# Altium PCB 2.PcbDoc (part 1 of 2)
Units mm, origin at the board's own origin, x right, y up, seen from the top; angles counter-clockwise.
Board outline 160.63 x 75.01 mm, 2 copper layers (Top Layer, Bottom Layer); 160 components, 151 nets, 572 pads, 120 vias.
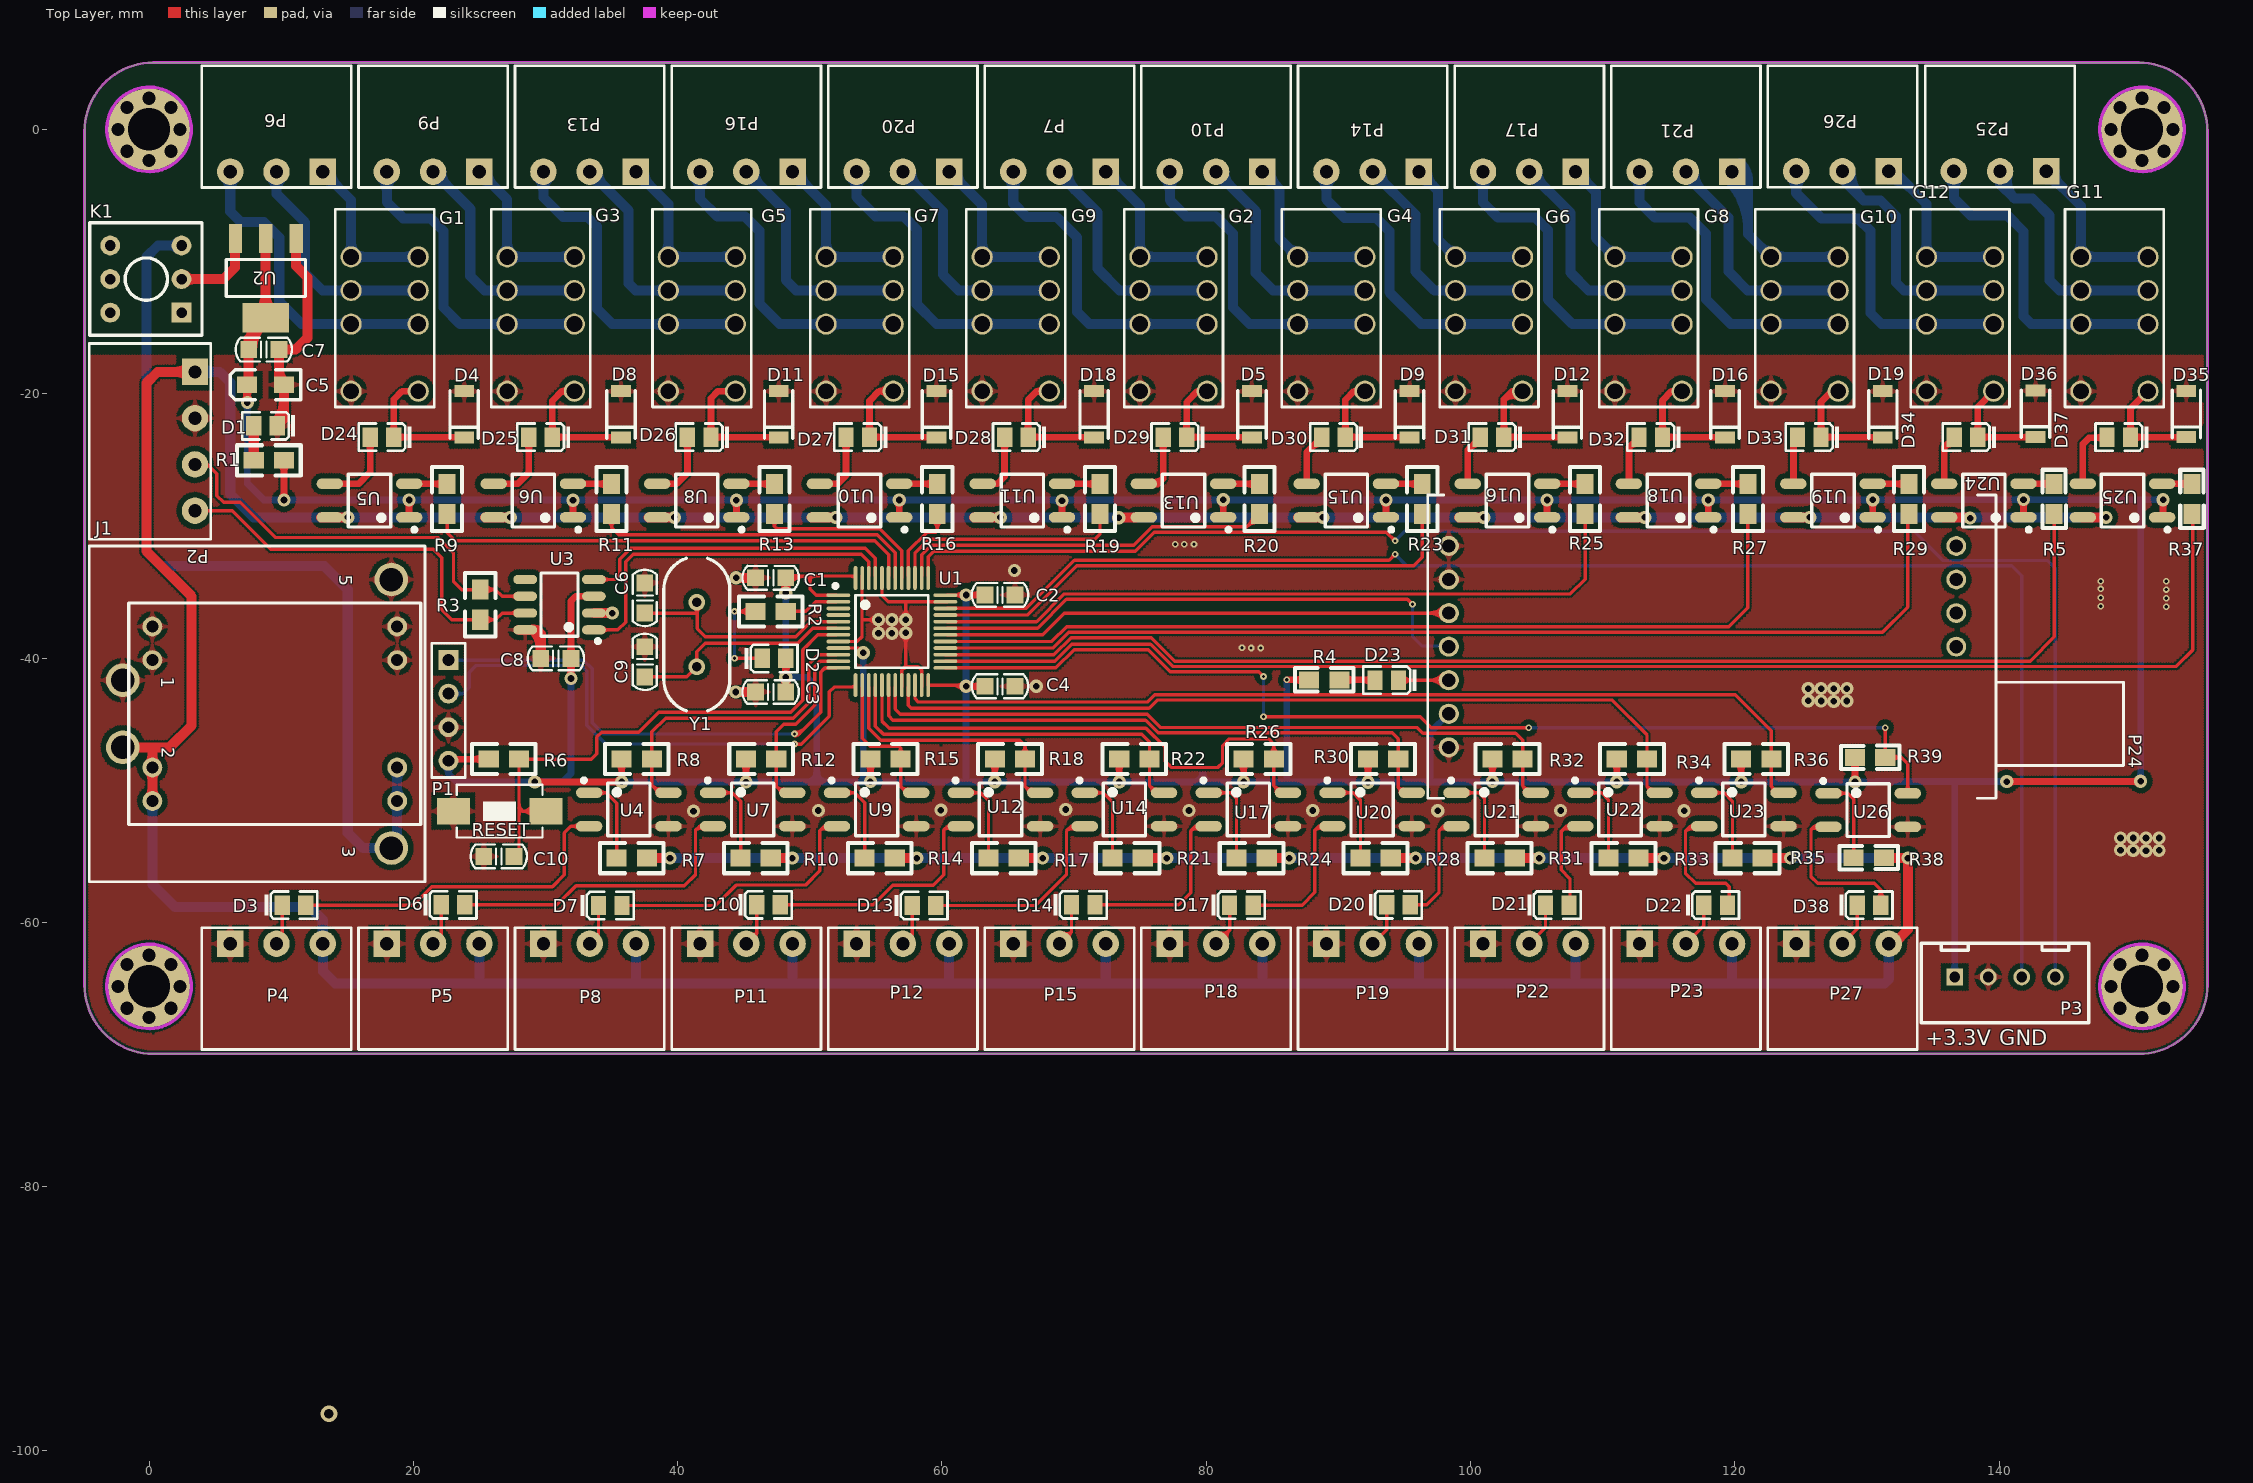
[diagram p0: Top Layer view]
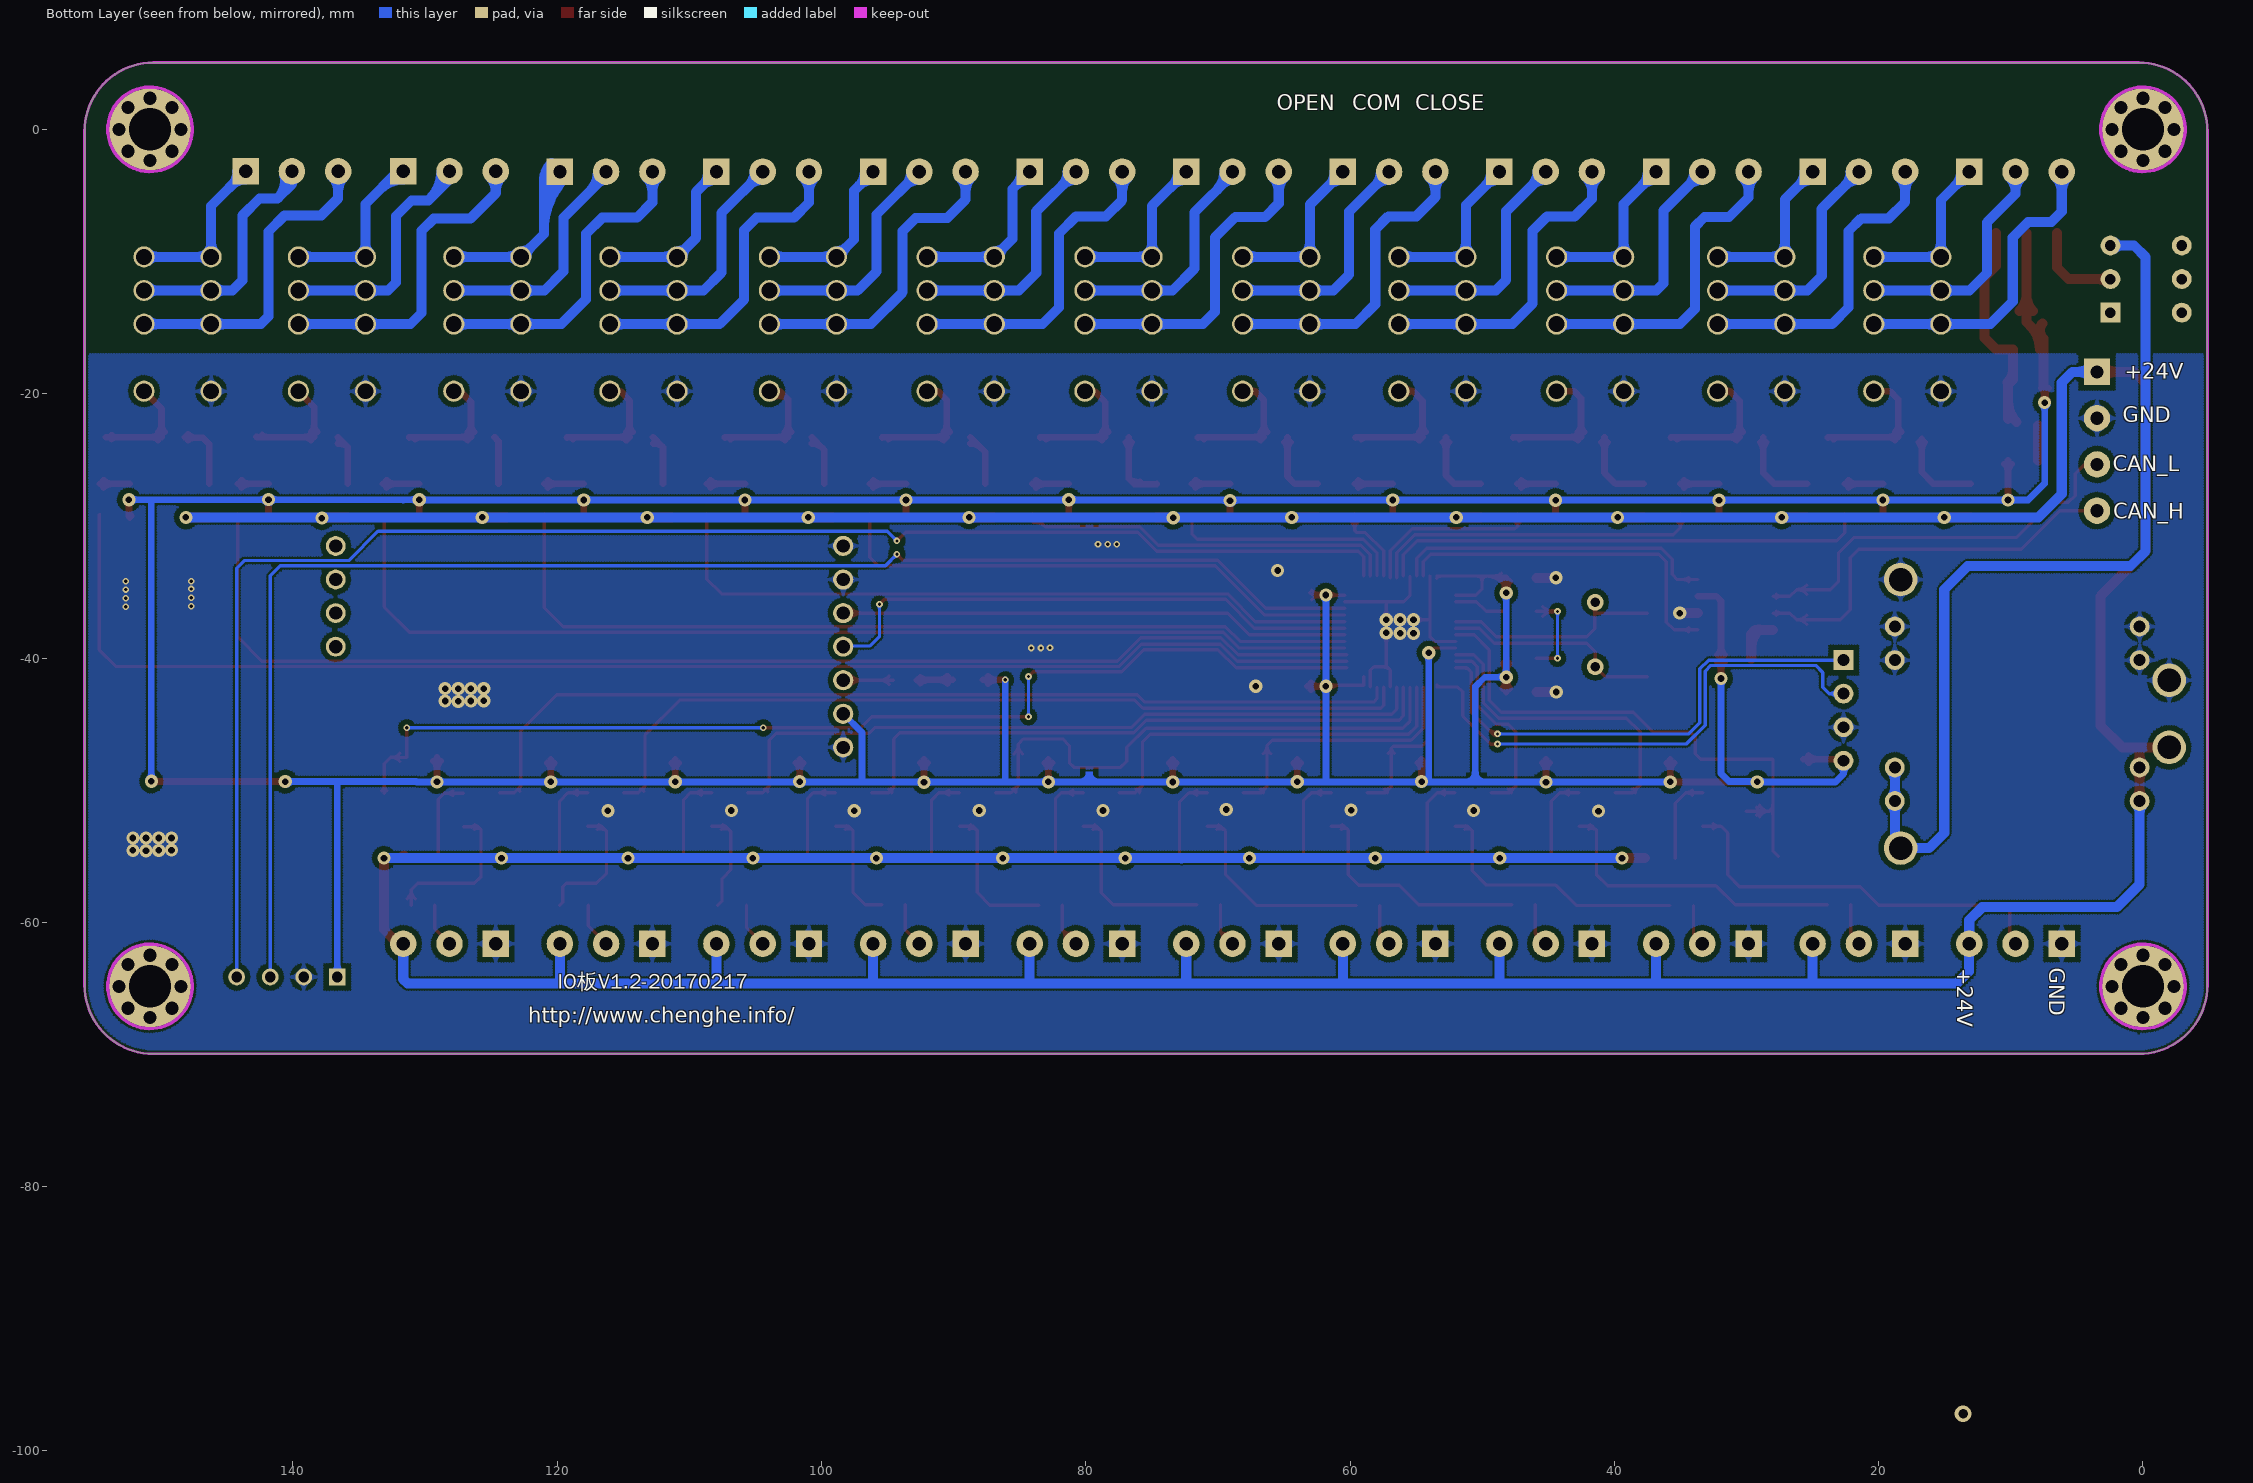
[diagram p1: Bottom Layer view, seen from below]

## Layer stack, top to bottom
Top Layer: signal copper 0.0356
Dielectric: dielectric 0.32, FR-4, Dk 4.8
Bottom Layer: signal copper 0.0356

## Board outline
-4.877,-64.745 ccw(c0.33,-64.745) 0.33,-69.952 0.33,-69.945 150.546,-69.945 150.546,-69.952 ccw(c150.546,-64.745) 155.753,-64.745 155.753,-0.152 ccw(c150.546,-0.152) 150.546,5.055 0.33,5.055 ccw(c0.33,-0.152) -4.877,-0.152

## Design rules (kind name [scope] priority, off if disabled: settings)
Clearance ispad [IsPad vs InPolygon] p1: gap=0.4
Clearance isvia [IsVia vs InPolygon] p2: gap=0.4
Clearance [All] p3: gap=0.152
HoleSize [All] p1: absolutevalues=TRUE maxlimit=5 minlimit=0.025 maxpercent=80.000 minpercent=20.000
HoleToHoleClearance [All] p1: gap=0 allowstackedmicrovias=TRUE
MinimumSolderMaskSliver [All] p1: minsoldermaskwidth=0
PolygonConnect [All vs ISVIA] p1: connectstyle=Direct reliefconductorwidth=0.254 reliefentries=4 polygonreliefangle="90 Angle"
RoutingVias [All] p1: holewidth=0.711 width=1.27 viastyle="Through Hole" minholewidth=0.25 minwidth=0.5 maxholewidth=0.711 maxwidth=1.27
SilkToSilkClearance [All] p1: silktosilkclearance=-10
SilkscreenOverComponentPads SilkToSolderMaskClearance [IsPad] p1: minsilkscreentomaskgap=-10
SolderMaskExpansion [All] p1: expansion=0.102
Width [All] p1: maxlimit=2.54 minlimit=0.203 preferedwidth=0.254
23 further rules are at their usual default settings.

## Components (designator, comment, footprint, x,y, rotation, side; value= is the part's Value field where it differs from the comment)
C1 "104" C0805 47.041,-33.934 r180 top
C2 "104" C0805 64.389,-35.23 r0 top
C3 "104" C0805 47.041,-42.57 r180 top
C4 "104" C0805 64.389,-42.139 r0 top
C5 "100uF/6.3V" 3216 8.814,-19.329 r180 top
C6 "22pF" C0805 37.516,-35.458 r90 top
C7 "104" C0805 8.687,-16.662 r180 top
C8 "104" C0805 30.785,-40.03 r180 top
C9 "22pF" C0805 37.516,-40.284 r90 top
C10 "104" C0805 26.467,-55.016 r180 top
D1 "LED0" LC-0805_LED_S1 7.925,-22.428 r180 top
D2 "LED0" LC-0805_LED_S1 48.184,-40.03 r0 top
D3 "LED0" LC-0805_LED_S1 11.862,-58.699 r0 top
D4 "" LC-LL-34 23.851,-23.312 r90 top
D5 "" LC-LL-34 83.45,-23.312 r90 top
D6 "LED0" LC-0805_LED_S1 23.901,-58.674 r0 top
D7 "LED0" LC-0805_LED_S1 35.789,-58.725 r0 top
D8 "" LC-LL-34 35.71,-23.312 r90 top
D9 "" LC-LL-34 95.385,-23.312 r90 top
D10 "LED0" LC-0805_LED_S1 47.752,-58.674 r0 top
D11 "" LC-LL-34 47.645,-23.312 r90 top
D12 "" LC-LL-34 107.321,-23.312 r90 top
D13 "LED0" LC-0805_LED_S1 59.538,-58.725 r0 top
D14 "LED0" LC-0805_LED_S1 71.577,-58.674 r0 top
D15 "" LC-LL-34 59.58,-23.312 r90 top
D16 "" LC-LL-34 119.256,-23.312 r90 top
D17 "LED0" LC-0805_LED_S1 83.541,-58.699 r0 top
D18 "" LC-LL-34 71.515,-23.312 r90 top
D19 "" LC-LL-34 131.191,-23.312 r90 top
D20 "LED0" LC-0805_LED_S1 95.428,-58.674 r0 top
D21 "LED0" LC-0805_LED_S1 107.442,-58.699 r0 top
D22 "LED0" LC-0805_LED_S1 119.431,-58.699 r0 top
D23 "LED0" LC-0805_LED_S1 92.761,-41.681 r180 top
D24 "LED0" LC-0805_LED_S1 16.739,-23.292 r180 top
D25 "LED0" LC-0805_LED_S1 28.739,-23.292 r180 top
D26 "LED0" LC-0805_LED_S1 40.739,-23.292 r180 top
D27 "LED0" LC-0805_LED_S1 52.739,-23.292 r180 top
D28 "LED0" LC-0805_LED_S1 64.739,-23.292 r180 top
D29 "LED0" LC-0805_LED_S1 76.739,-23.292 r180 top
D30 "LED0" LC-0805_LED_S1 88.739,-23.292 r180 top
D31 "LED0" LC-0805_LED_S1 100.739,-23.292 r180 top
D32 "LED0" LC-0805_LED_S1 112.739,-23.292 r180 top
D33 "LED0" LC-0805_LED_S1 124.739,-23.292 r180 top
D34 "LED0" LC-0805_LED_S1 136.601,-23.292 r180 top
D35 "" LC-LL-34 154.153,-23.292 r90 top
D36 "" LC-LL-34 142.748,-23.266 r90 top
D37 "LED0" LC-0805_LED_S1 148.158,-23.292 r180 top
D38 "LED0" LC-0805_LED_S1 131.039,-58.699 r0 top
G1 "G6S-2-24V" G6S-2-24V 15.291,-19.812 r90 top
G2 "G6S-2-24V" G6S-2-24V 74.981,-19.812 r90 top
G3 "G6S-2-24V" G6S-2-24V 27.102,-19.812 r90 top
G4 "G6S-2-24V" G6S-2-24V 86.919,-19.812 r90 top
G5 "G6S-2-24V" G6S-2-24V 39.294,-19.812 r90 top
G6 "G6S-2-24V" G6S-2-24V 98.857,-19.812 r90 top
G7 "G6S-2-24V" G6S-2-24V 51.232,-19.812 r90 top
G8 "G6S-2-24V" G6S-2-24V 110.922,-19.812 r90 top
G9 "G6S-2-24V" G6S-2-24V 63.043,-19.812 r90 top
G10 "G6S-2-24V" G6S-2-24V 122.733,-19.812 r90 top
G11 "G6S-2-24V" G6S-2-24V 146.177,-19.812 r90 top
G12 "G6S-2-24V" G6S-2-24V 134.493,-19.812 r90 top
J1 "WD5-24S5A1" WD5-24S3V3 -1.981,-41.681 r0 top
K1 "BUTTON" BTN8.5*8.5 2.464,-13.868 r180 top
P1 "Header 4" HDR1X4 22.657,-40.157 r270 top
P2 "CAN" DZ-4-3.5 3.48,-18.354 r270 top
P3 "Header 4" IDE4 136.627,-64.135 r0 top
P4 "" DZ-3-3.5 6.147,-61.62 r0 top
P5 "" DZ-3-3.5 17.996,-61.62 r0 top
P6 "" DZ-3-3.5 13.147,-3.2 r180 top
P7 "" DZ-3-3.5 72.392,-3.2 r180 top
P8 "" DZ-3-3.5 29.845,-61.62 r0 top
P9 "" DZ-3-3.5 24.996,-3.2 r180 top
P10 "" DZ-3-3.5 84.241,-3.2 r180 top
P11 "" DZ-3-3.5 41.694,-61.62 r0 top
P12 "" DZ-3-3.5 53.543,-61.62 r0 top
P13 "" DZ-3-3.5 36.845,-3.2 r180 top
P14 "" DZ-3-3.5 96.091,-3.2 r180 top
P15 "" DZ-3-3.5 65.392,-61.62 r0 top
P16 "" DZ-3-3.5 48.694,-3.2 r180 top
P17 "" DZ-3-3.5 107.94,-3.2 r180 top
P18 "" DZ-3-3.5 77.241,-61.62 r0 top
P19 "" DZ-3-3.5 89.09,-61.62 r0 top
P20 "" DZ-3-3.5 60.543,-3.2 r180 top
P21 "" DZ-3-3.5 119.789,-3.2 r180 top
P22 "" DZ-3-3.5 100.94,-61.62 r0 top
P23 "" DZ-3-3.5 112.789,-61.62 r0 top
P24 "Header 7" AS50-T27 98.349,-46.761 r0 top locked
P25 "" DZ-3-3.5 143.561,-3.175 r180 top
P26 "" DZ-3-3.5 131.638,-3.175 r180 top
P27 "" DZ-3-3.5 124.638,-61.62 r0 top
R1 "1k" 0805 10.211,-25.044 r180 top
R2 "102" 0805 48.184,-36.474 r180 top
R3 "120R" 0805 25.07,-34.823 r270 top
R4 "1k" 0805 87.782,-41.656 r0 top
R5 "330R" 0805 144.145,-29.108 r90 top
R6 "10K" 0805 27.991,-47.65 r180 top
R7 "4.7K" 0805 35.382,-55.143 r0 top
R8 "1K" 0805 38.049,-47.65 r180 top
R9 "330R" 0805 22.555,-29.108 r90 top
R10 "4.7K" 0805 44.763,-55.143 r0 top
R11 "330R" 0805 35.001,-29.108 r90 top
R12 "1K" 0805 47.461,-47.65 r180 top
R13 "330R" 0805 47.32,-29.108 r90 top
R14 "4.7K" 0805 54.144,-55.143 r0 top
R15 "1K" 0805 56.873,-47.65 r180 top
R16 "330R" 0805 59.639,-29.108 r90 top
R17 "4.7K" 0805 63.525,-55.143 r0 top
R18 "1K" 0805 66.286,-47.65 r180 top
R19 "330R" 0805 71.958,-29.108 r90 top
R20 "330R" 0805 84.023,-29.108 r90 top
R21 "4.7K" 0805 72.906,-55.143 r0 top
R22 "1K" 0805 75.698,-47.65 r180 top
R23 "330R" 0805 96.342,-29.108 r90 top
R24 "4.7K" 0805 82.288,-55.143 r0 top
R25 "330R" 0805 108.661,-29.108 r90 top
R26 "1K" 0805 85.11,-47.65 r180 top
R27 "330R" 0805 120.98,-29.108 r90 top
R28 "4.7K" 0805 91.669,-55.143 r0 top
R29 "330R" 0805 133.172,-29.108 r90 top
R30 "1K" 0805 94.522,-47.65 r180 top
R31 "4.7K" 0805 101.05,-55.143 r0 top
R32 "1K" 0805 103.934,-47.65 r180 top
R33 "4.7K" 0805 110.431,-55.143 r0 top
R34 "1K" 0805 113.346,-47.65 r180 top
R35 "4.7K" 0805 119.812,-55.143 r0 top
R36 "1K" 0805 122.758,-47.65 r180 top
R37 "330R" 0805 154.584,-29.108 r90 top
R38 "4.7K" 0805 128.981,-55.118 r0 top
R39 "1K" 0805 131.369,-47.523 r180 top
RESET "KEY_M" SW_PB2_A1 26.467,-51.587 r270 top
U1 "STM32f103C8T6" LC-LQFP-48 56.21,-37.998 r270 top
U2 "AMS1117" LC-SOT-223 8.839,-11.252 r90 top
U3 "SN65HVD230" LC-SOIC-8_150mil 31.064,-35.966 r90 top
U4 "EL357N(B)(TA)-G" LC-SOP-4_P2.54 33.304,-50.19 r0 top
U5 "EL357N(B)(TA)-G" LC-SOP-4_P2.54 19.68,-29.362 r180 top
U6 "EL357N(B)(TA)-G" LC-SOP-4_P2.54 32.08,-29.362 r180 top
U7 "EL357N(B)(TA)-G" LC-SOP-4_P2.54 42.679,-50.19 r0 top
U8 "EL357N(B)(TA)-G" LC-SOP-4_P2.54 44.445,-29.362 r180 top
U9 "EL357N(B)(TA)-G" LC-SOP-4_P2.54 52.054,-50.19 r0 top
U10 "EL357N(B)(TA)-G" LC-SOP-4_P2.54 56.764,-29.362 r180 top
U11 "EL357N(B)(TA)-G" LC-SOP-4_P2.54 69.083,-29.362 r180 top
U12 "EL357N(B)(TA)-G" LC-SOP-4_P2.54 61.429,-50.19 r0 top
U13 "EL357N(B)(TA)-G" LC-SOP-4_P2.54 81.275,-29.362 r180 top
U14 "EL357N(B)(TA)-G" LC-SOP-4_P2.54 70.804,-50.19 r0 top
U15 "EL357N(B)(TA)-G" LC-SOP-4_P2.54 93.594,-29.362 r180 top
U16 "EL357N(B)(TA)-G" LC-SOP-4_P2.54 105.786,-29.362 r180 top
U17 "EL357N(B)(TA)-G" LC-SOP-4_P2.54 80.179,-50.19 r0 top
U18 "EL357N(B)(TA)-G" LC-SOP-4_P2.54 117.978,-29.362 r180 top
U19 "EL357N(B)(TA)-G" LC-SOP-4_P2.54 130.424,-29.362 r180 top
U20 "EL357N(B)(TA)-G" LC-SOP-4_P2.54 89.554,-50.19 r0 top
U21 "EL357N(B)(TA)-G" LC-SOP-4_P2.54 98.928,-50.19 r0 top
U22 "EL357N(B)(TA)-G" LC-SOP-4_P2.54 108.303,-50.19 r0 top
U23 "EL357N(B)(TA)-G" LC-SOP-4_P2.54 117.678,-50.19 r0 top
U24 "EL357N(B)(TA)-G" LC-SOP-4_P2.54 141.834,-29.362 r180 top
U25 "EL357N(B)(TA)-G" LC-SOP-4_P2.54 152.324,-29.362 r180 top
U26 "EL357N(B)(TA)-G" LC-SOP-4_P2.54 127.076,-50.241 r0 top
Y1 "8M" XTAL_US 41.453,-35.785 r270 top
? "" "定位孔 Φ3.2" 150.8,0 r0 top
? "" "定位孔 Φ3.2" 150.8,-64.846 r0 top
? "" "定位孔 Φ3.2" 0,-64.846 r0 top
? "" "定位孔 Φ3.2" 0,0 r0 top

## Footprints (in the part's own frame and the unit in brackets; to place one, negate y for a bottom-side part, rotate by r counter-clockwise, add the part's x,y. Pads: shape width x height; smd on the part's side, far side on the other; paste and mask are expansions set on the pad)
0805 [mil]
  rect 60x50 smd: 1(0,0) 2(90,0)
  silkscreen extent -50,-45 140,45
3216 [mil]
  rect 60x50 smd: 1(55,0) 2(-55,0)
  silkscreen extent -105,-45 105,45, body extent -65,-31 61,32, height 63
AS50-T27 [mm]
  round 1.5 hole 1: 0(38.4,7.62) 0(38.4,10.16) 0(38.4,12.7) 0(38.4,15.24)
  round 1.524 hole 1: 1(0,0) 2(0,2.54) 3(0,5.08) 4(0,7.62) 5(0,10.16) 6(0,12.7) 7(0,15.24)
  silkscreen extent -1.6,-3.85 51.05,19.09
BTN8.5*8.5 [mm]
  rect 1.5x1.5 hole 0.8: 1(0,0)
  round 1.5 hole 0.8: 2(0,-2.54) 3(0,-5.08) 4(5.4,-5.08) 5(5.4,-2.54) 6(5.4,0)
  silkscreen extent -1.55,-6.79 6.95,1.71
C0805 [mil]
  rect 50x50 smd: 1(-45,0) 2(45,0)
  silkscreen extent -84,-36 84,36, body extent -39,-25 40,24, height 20
DZ-3-3.5 [mm]
  rect 2x2 hole 1: 1(0,0)
  round 2 hole 1: 2(3.5,0) 3(7,0)
  silkscreen extent -2.15,-8 9.15,1.2
DZ-4-3.5 [mm]
  rect 2x2 hole 1: 1(0,0)
  round 2 hole 1: 2(3.5,0) 3(7,0) 4(10.5,0)
  silkscreen extent -2.15,-8 12.65,1.2
G6S-2-24V [mm]
  round 1.6 hole 1.2: 1(0,0) 3(5.08,0) 4(7.62,0) 5(10.16,0) 8(10.16,-5.08) 9(7.62,-5.08) 10(5.08,-5.08) 12(0,-5.08)
  silkscreen extent -1.2,-6.28 13.76,1.2
HDR1X4 [mm]
  rect 1.5x1.5 hole 0.9: 1(0,0)
  round 1.5 hole 0.9: 2(2.54,0) 3(5.08,0) 4(7.62,0)
  silkscreen extent -1.27,-1.27 8.89,1.27
IDE4 [mil]
  rect 50x50 hole 32: 1(0,0)
  round 50 hole 32: 2(100,0) 3(200,0) 4(300,0)
  silkscreen extent -100,-136 399,100
LC-0805_LED_S1 [mm]
  rect 1.16x1.47 smd: A(0.001,0) K(-1.779,0)
  silkscreen extent -3.13,-1.04 0.88,1.03, body extent -1.9,-0.62 0.12,0.62, height 1.1
LC-LL-34 [mm]
  rect 0.9x1.5 smd: 1(3.5,0) 2(0,0)
  silkscreen extent -0.05,-1.08 3.55,1.07
LC-LQFP-48 [mm]
  oval 0.28x1.8 smd mask+0.051: 1(-2.75,-4.05) 2(-2.25,-4.05) 3(-1.75,-4.05) 4(-1.25,-4.05) 5(-0.75,-4.05) 6(-0.25,-4.05) 7(0.25,-4.05) 8(0.75,-4.05) 9(1.25,-4.05) 10(1.75,-4.05) 11(2.25,-4.05) 12(2.75,-4.05) 25(2.75,4.05) 26(2.25,4.05) 27(1.75,4.05) 28(1.25,4.05) 29(0.75,4.05) 30(0.25,4.05) 31(-0.25,4.05) 32(-0.75,4.05) 33(-1.25,4.05) 34(-1.75,4.05) 35(-2.25,4.05) 36(-2.75,4.05)
  oval 1.8x0.28 smd mask+0.051: 13(4.05,-2.75) 14(4.05,-2.25) 15(4.05,-1.75) 16(4.05,-1.25) 17(4.05,-0.75) 18(4.05,-0.25) 19(4.05,0.25) 20(4.05,0.75) 21(4.05,1.25) 22(4.05,1.75) 23(4.05,2.25) 24(4.05,2.75) 37(-4.05,2.75) 38(-4.05,2.25) 39(-4.05,1.75) 40(-4.05,1.25) 41(-4.05,0.75) 42(-4.05,0.25) 43(-4.05,-0.25) 44(-4.05,-0.75) 45(-4.05,-1.25) 46(-4.05,-1.75) 47(-4.05,-2.25) 48(-4.05,-2.75)
  silkscreen extent -3.6,-4.42 2.75,2.75
LC-SOIC-8_150mil [mm]
  oval 0.7x1.8 smd: 1(-1.905,-2.6) 2(-0.635,-2.6) 3(0.635,-2.6) 4(1.905,-2.6) 5(1.905,2.6) 6(0.635,2.6) 7(-0.635,2.6) 8(-1.905,2.6)
  silkscreen extent -2.9,-3.05 2.4,1.4
LC-SOP-4_P2.54 [mm]
  oval 2x0.8 smd: 1(0,0) 2(0,-2.54) 3(6,-2.54) 4(6,0)
  silkscreen extent -0.55,-3.27 4.6,1.08
LC-SOT-223 [mm]
  rect 2.2x1 smd: 1(3,-2.3) 2(3,0) 3(3,2.3)
  rect 2.2x3.5 smd: 2(-3,0)
  silkscreen extent -1.4,-3 1.4,3, body extent -3.49,-3.24 3.49,3.24, height 1.64
SW_PB2_A1 [mm]
  rect 2x2.5 smd: 1(0,3.556) 2(0,-3.444)
  silkscreen extent -2,-3.19 2,3.31, body extent -2.03,-3.18 2.03,3.3, height 1.2
WD5-24S3V3 [mm]
  round 2.54 hole 1.778: 1(0,0) 2(0,-5.08) 3(20.32,-12.7) 5(20.32,7.62)
  round 1.5 hole 0.9: 1(2.235,1.524) 1(2.235,4.064) 2(2.235,-9.144) 2(2.235,-6.604) 3(20.759,-9.144) 3(20.759,-6.604) 5(20.759,1.524) 5(20.759,4.064)
  silkscreen extent -2.54,-15.24 22.86,10.16
XTAL_US [mil]
  round 50 hole 28: 1(0,0) 2(192.13,0)
  silkscreen extent -131,-98 323,98
"定位孔 Φ3.2" [mm]
  round 1 hole 1 unplated: 1(-2.35,0) 1(-1.662,-1.662) 1(-1.662,1.662) 1(0,-2.35) 1(0,2.35) 1(1.662,-1.662) 1(1.662,1.662) 1(2.35,0)
  round 6.2 hole 3.2: 1(0,0)
  Keep-Out Layer circle w0.254: c0,0 r3.2

## Part data
C1 C2 C3 C4 C6 C9: library part Cap, "Capaci"
D1 D2 D3 D6 D7 D10 D13 D14 D17 D20 D21 D22 D23 D24 D25 D26 D27 D28 D29 D30 D31 D32 D33 D34 D37 D38: "Typical INFRARED G"
D4 D5 D8 D9 D11 D12 D15 D16 D18 D19 D35 D36: library part DIODE, "Di"
G1 G2 G3 G4 G5 G6 G7 G8 G9 G10 G11 G12: "G5SB-1"
J1: library part WD5-24S3V
K1: library part BUT
P1 P3: "Header, 4-"
P2: library part "Header 4", "Header, 4-"
P4 P5 P6 P7 P8 P9 P10 P11 P12 P13 P14 P15 P16 P17 P18 P19 P20 P21 P22 P23 P25 P26 P27: library part "Header 3", "Header, 3-"
P24: "Header, 7-"
R5 R37: library part R
R9 R11 R13 R16 R19 R20 R23 R25 R27 R29: library part RES
U1: library part stm32f103v
U2: library part A
U3: library part SN65H
U4 U5 U6 U7 U8 U9 U10 U11 U12 U13 U14 U15 U16 U17 U18 U19 U20 U21 U22 U23 U24 U25 U26: library part 2
Y1: library part XTAL, "Crystal Oscilla"

## Via types
v1: diameter 1, hole 0.5, Top Layer to Bottom Layer, 93 vias
v2: diameter 0.5, hole 0.25, Top Layer to Bottom Layer, 26 vias
v3: diameter 1.27, hole 0.711, Top Layer to Bottom Layer, 1 vias

## Nets (pads, with @x,y where several pads share a name; then routed paths per layer and width w, separated by ;. In a path a pad name is that pad's centre, name@x,y a point inside that pad or via, vN(x,y) a via of type N, cw(c..) or ccw(c..) an arc to the next point about the centre after c; other vN are vias at no path point)
AUX: D23.K P24.3 | length 9.4
  Top Layer w0.254: D23.K@94.54,-41.681 P24.3@98.349,-41.681 ; D23.K@94.86,-42.002 cw(c95.633,-42.775) 95.633,-41.681 cw(c95.633,-40.588) D23.K@94.86,-41.361 ; P24.3@97.9,-42.13 ccw(c96.816,-43.214) 96.816,-41.681 ccw(c96.816,-40.148) P24.3@97.9,-41.232 ; P24.3@98.079,-41.951 ccw(c97.429,-42.601) 97.429,-41.681 ccw(c97.429,-40.762) P24.3@98.079,-41.412
CAN_H: P2.4 R3.2 U3.7 | length 33
  Top Layer w0.254: P2.4@3.48,-28.854 6.287,-28.854 9.208,-31.775 21.514,-31.775 22.149,-32.41 22.149,-36.347 22.911,-37.109 R3.2@25.07,-37.109 26.213,-37.109 ; R3.2@25.447,-37.45 cw(c26.213,-38.141) 26.213,-37.109 ; R3.2@25.447,-36.769 ccw(c26.213,-36.078) 26.213,-37.109 ; U3.7@27.757,-36.759 ccw(c27.376,-37.14) 27.376,-36.601 ccw(c27.376,-36.063) U3.7@27.757,-36.444 ; U3.7@27.991,-36.601 26.721,-36.601 26.213,-37.109
CAN_L: P2.3 R3.1 U3.6 | length 33.4
  Top Layer w0.254: P2.3@3.48,-25.354 4.425,-25.354 5.131,-26.06 5.131,-27.711 5.639,-28.219 6.909,-28.219 9.576,-30.886 21.895,-30.886 23.038,-32.029 23.038,-34.188 23.673,-34.823 R3.1@25.07,-34.823 26.213,-34.823 ; R3.1@25.447,-35.164 cw(c26.213,-35.855) 26.213,-34.823 ; R3.1@25.447,-34.483 ccw(c26.213,-33.792) 26.213,-34.823 ; U3.6@27.757,-35.489 ccw(c27.376,-35.87) 27.376,-35.331 ccw(c27.376,-34.793) U3.6@27.757,-35.174 ; U3.6@27.991,-35.331 26.721,-35.331 26.213,-34.823
CAN_RX: U1.45 U3.4 | length 25.4
  Top Layer w0.254: U3.4@33.691,-34.061 35.23,-34.061 35.611,-33.68 35.611,-32.537 36.449,-31.699 54.204,-31.699 54.96,-32.456 U1.45@54.96,-33.798 ; U3.4@34.372,-34.219 cw(c34.753,-34.6) 34.753,-34.061 cw(c34.753,-33.523) U3.4@34.372,-33.904
CAN_TX: U1.46 U3.1 | length 28
  Top Layer w0.254: U3.1@33.691,-37.871 35.484,-37.871 36.068,-37.287 36.068,-32.727 36.638,-32.156 53.899,-32.156 54.46,-32.718 U1.46@54.46,-33.798 ; U3.1@34.372,-38.029 cw(c34.753,-38.41) 34.753,-37.871 cw(c34.753,-37.333) U3.1@34.372,-37.714
CLOSE_0: G1.3 G1.10 P6.3 | length 30.9
  Bottom Layer w0.762: P6.3@5.709,-3.638 cw(c4.652,-4.695) 6.147,-4.695 cw(c7.641,-4.695) P6.3@6.584,-3.638 ; P6.3@6.482,-3.2 6.147,-3.536 6.147,-6.223 6.934,-7.01 8.687,-7.01 9.855,-8.179 9.855,-13.03 11.557,-14.732 G1.3@15.291,-14.732 G1.10@20.371,-14.732 ; G1.3@14.995,-15.028 ccw(c14.279,-15.744) 14.279,-14.732 ccw(c14.279,-13.72) G1.3@14.995,-14.436 ; G1.3@15.587,-15.028 cw(c16.302,-15.744) 16.302,-14.732 cw(c16.302,-13.72) G1.3@15.587,-14.436 ; G1.10@20.075,-15.028 ccw(c19.359,-15.744) 19.359,-14.732 ccw(c19.359,-13.72) G1.10@20.075,-14.436
CLOSE_1: G3.3 G3.10 P9.3 | length 30.8
  Bottom Layer w0.762: P9.3@17.558,-3.638 cw(c16.502,-4.695) 17.996,-4.695 cw(c19.49,-4.695) P9.3@18.434,-3.638 ; P9.3@17.996,-3.2 17.996,-5.499 19.228,-6.731 21.311,-6.731 22.276,-7.696 22.276,-13.487 23.52,-14.732 G3.3@27.102,-14.732 G3.10@32.182,-14.732 ; G3.3@26.806,-15.028 ccw(c26.09,-15.744) 26.09,-14.732 ccw(c26.09,-13.72) G3.3@26.806,-14.436 ; G3.3@27.398,-15.028 cw(c28.113,-15.744) 28.113,-14.732 cw(c28.113,-13.72) G3.3@27.398,-14.436 ; G3.10@31.886,-15.028 ccw(c31.17,-15.744) 31.17,-14.732 ccw(c31.17,-13.72) G3.10@31.886,-14.436
CLOSE_2: G5.3 G5.10 P13.3 | length 31.2
  Bottom Layer w0.762: P13.3@29.407,-3.638 cw(c28.351,-4.695) 29.845,-4.695 cw(c31.339,-4.695) P13.3@30.283,-3.638 ; P13.3@29.845,-3.2 29.845,-5.156 31.318,-6.629 33.172,-6.629 33.909,-7.366 33.909,-13.589 35.052,-14.732 G5.3@39.294,-14.732 G5.10@44.374,-14.732 ; G5.3@38.998,-15.028 ccw(c38.282,-15.744) 38.282,-14.732 ccw(c38.282,-13.72) G5.3@38.998,-14.436 ; G5.3@39.59,-15.028 cw(c40.305,-15.744) 40.305,-14.732 cw(c40.305,-13.72) G5.3@39.59,-14.436 ; G5.10@44.078,-15.028 ccw(c43.362,-15.744) 43.362,-14.732 ccw(c43.362,-13.72) G5.10@44.078,-14.436
CLOSE_3: G7.3 G7.10 P16.3 | length 30.9
  Bottom Layer w0.762: P16.3@41.256,-3.638 cw(c40.2,-4.695) 41.694,-4.695 cw(c43.188,-4.695) P16.3@42.132,-3.638 ; P16.3@41.694,-3.2 41.694,-5.271 43.028,-6.604 45.11,-6.604 46.177,-7.671 46.177,-13.183 47.727,-14.732 G7.3@51.232,-14.732 G7.10@56.312,-14.732 ; G7.3@50.936,-15.028 ccw(c50.22,-15.744) 50.22,-14.732 ccw(c50.22,-13.72) G7.3@50.936,-14.436 ; G7.3@51.528,-15.028 cw(c52.243,-15.744) 52.243,-14.732 cw(c52.243,-13.72) G7.3@51.528,-14.436 ; G7.10@56.016,-15.028 ccw(c55.3,-15.744) 55.3,-14.732 ccw(c55.3,-13.72) G7.10@56.016,-14.436